# Altium PCB ECG_HS_LS.PcbDoc (part 1 of 2) (continued)
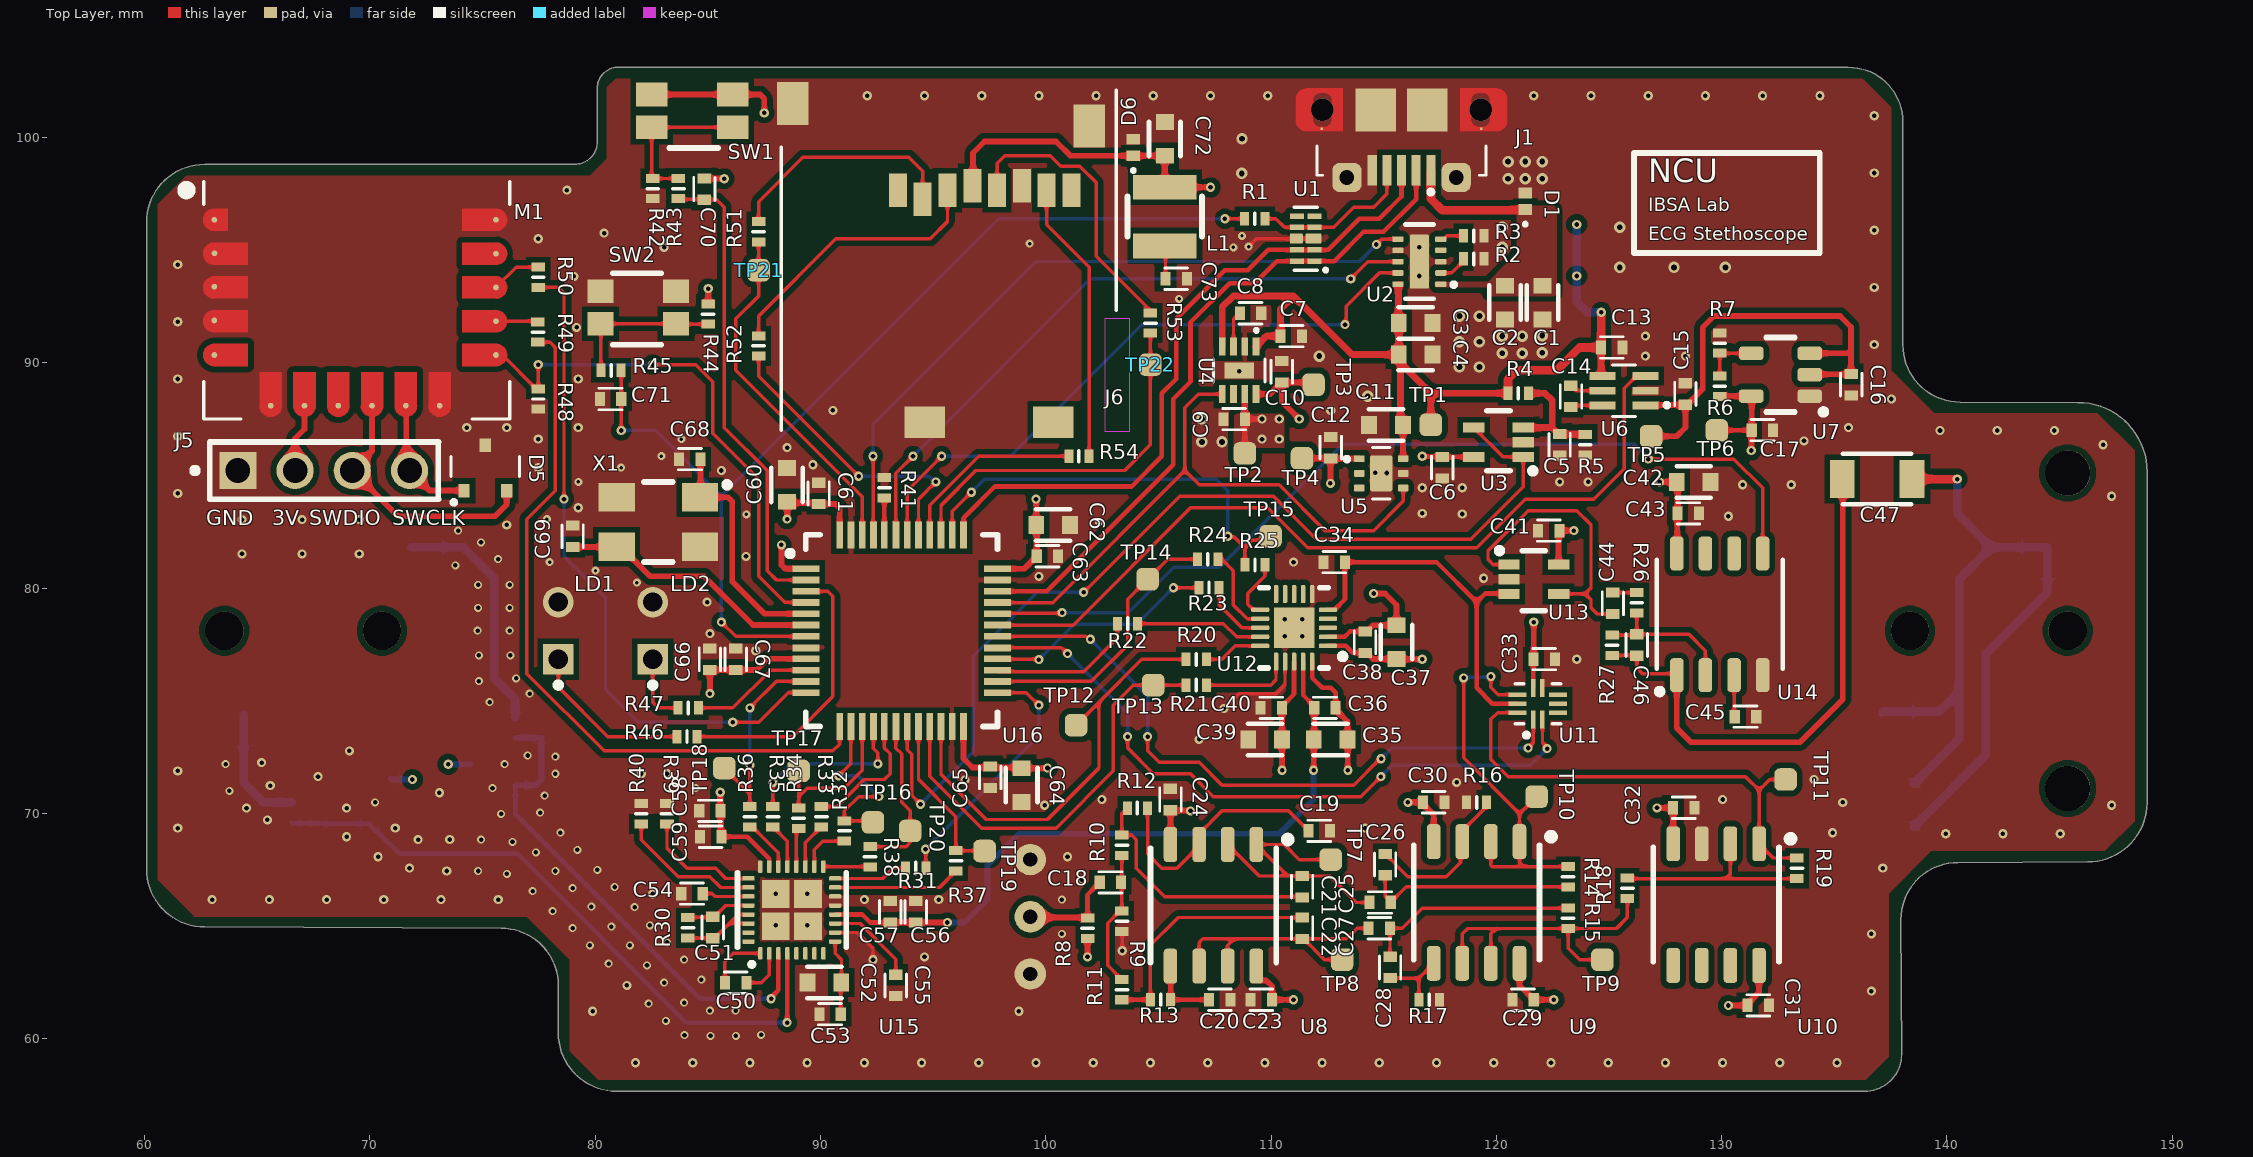
[diagram p0: Top Layer view]
## Components (designator, comment, footprint, x,y, rotation, side; value= is the part's Value field where it differs from the comment) (continued)
R8 "2.2kΩ" 0402#2 101.854,64.897 r270 top
R9 "330kΩ" 0402#2 103.378,65.209 r90 top
R10 "68kΩ" 0402#2 103.378,68.58 r270 top
R11 "150kΩ" 0402#2 103.378,62.172 r90 top
R12 "47kΩ" 0402#2 104.071,70.231 r180 top
R13 "91kΩ" 0402#2 105.098,61.722 r180 top
R14 "820kΩ" 0402#2 123.19,67.183 r90 top
R15 "100kΩ" 0402#2 123.19,65.336 r270 top
R16 "1.5MΩ" 0402#2 119.126,70.485 r180 top
R17 "220kΩ" 0402#2 117.025,61.722 r0 top
R18 "1kΩ" 0402#2 125.824,66.675 r90 top
R19 "2.2kΩ" 0402#2 133.35,67.564 r90 top
R20 "100Ω" 0402#2 106.68,76.835 r180 top
R21 "100Ω" 0402#2 106.68,75.692 r180 top
R22 "100Ω" 0402#2 103.632,78.422 r180 top
R23 "100Ω" 0402#2 107.246,80.01 r180 top
R24 "100Ω" 0402#2 107.188,81.28 r180 top
R25 "100Ω" 0402#2 109.289,81.026 r180 top
R26 "10kΩ" 0402#2 126.238,79.342 r270 top
R27 "20kΩ" 0402#2 125.141,77.463 r270 top
R28 "68kΩ" 0402#2 76.45,73.812 r90 bottom
R29 "68kΩ" 0402#2 66.519,70.039 r90 bottom
R30 "1MΩ" 0402#2 84.117,64.913 r270 top
R31 "100Ω" 0402#2 94.234,67.564 r0 top
R32 "100Ω" 0402#2 91.059,69.215 r90 top
R33 "100Ω" 0402#2 90.043,69.85 r90 top
R34 "100Ω" 0402#2 89.027,69.781 r90 top
R35 "100Ω" 0402#2 87.884,69.85 r90 top
R36 "100Ω" 0402#2 86.868,69.85 r90 top
R37 "100Ω" 0402#2 96.012,67.887 r90 top
R38 "100Ω" 0402#2 92.202,68.072 r90 top
R39 "100kΩ" 0402#2 83.185,69.977 r270 top
R40 "100kΩ" 0402#2 82.042,69.977 r90 top
R41 "10kΩ" 0402#2 92.837,84.455 r90 top
R42 "10kΩ" 0402#2 82.55,97.732 r270 top
R43 "10kΩ" 0402#2 83.693,97.732 r90 top
R44 "10kΩ" 0402#2 85.013,92.164 r90 top
R45 "10kΩ" 0402#2 80.703,89.662 r0 top
R46 "300Ω" 0402#2 84.074,73.406 r180 top
R47 "300Ω" 0402#2 84.132,74.676 r180 top
R48 "100kΩ" 0402#2 77.47,88.392 r90 top
R49 "100Ω" 0402#2 77.456,91.365 r270 top
R50 "100Ω" 0402#2 77.47,93.795 r270 top
R51 "100Ω" 0402#2 87.249,95.816 r270 top
R52 "100Ω" 0402#2 87.249,90.747 r270 top
R53 "100Ω" 0402#2 104.648,91.763 r270 top
R54 "100Ω" 0402#2 101.473,85.852 r180 top
SW1 "EVQ-P7B01P" 2.2N 84.306,101.182 r180 top
SW2 "EVP-AA402W" 2.4N 81.915,92.456 r0 top
TP1 "TP-1.0" Testpoint 117.094,87.249 r0 top
TP2 "TP-1.0" Testpoint 108.839,85.979 r90 top
TP3 "TP-1.0" Testpoint 111.887,89.027 r90 top
TP4 "TP-1.0" Testpoint 111.375,85.76 r90 top
TP5 "TP-1.0" Testpoint 126.873,86.741 r180 top
TP6 "TP-1.0" Testpoint 129.794,86.995 r0 top
TP7 "TP-1.0" Testpoint 112.649,67.945 r90 top
TP8 "TP-1.0" Testpoint 113.157,63.5 r90 top
TP9 "TP-1.0" Testpoint 124.714,63.5 r90 top
TP10 "TP-1.0" Testpoint 121.793,70.739 r90 top
TP11 "TP-1.0" Testpoint 132.842,71.501 r90 top
TP12 "TP-1.0" Testpoint 101.346,73.914 r90 top
TP13 "TP-1.0" Testpoint 104.775,75.692 r0 top
TP14 "TP-1.0" Testpoint 104.521,80.391 r90 top
TP15 "TP-1.0" Testpoint 109.982,82.296 r0 top
TP16 "TP-1.0" Testpoint 92.329,69.596 r90 top
TP17 "TP-1.0" Testpoint 89.027,71.882 r90 top
TP18 "TP-1.0" Testpoint 85.725,72.009 r90 top
TP19 "TP-1.0" Testpoint 97.282,68.326 r90 top
TP20 "TP-1.0" Testpoint 93.98,69.215 r90 top
TP21 "TP-1.0" Testpoint 87.249,94.107 r90 top
TP22 "TP-1.0" Testpoint 104.648,89.916 r90 top
U1 "D3V3F4U10LP-7" UDFN2510-10(0.5-1.0x2.5x0.575) 111.537,95.512 r90 top
U2 "BQ25040DQCR" WSON-10(0.5-2.0x3.0x0.8) 116.586,94.488 r180 top
U3 "MCP6421T-E/LTY" SC-70-5 120.099,86.472 r270 top
U4 "MIC5330-PPYML-TR" VFDFN-8 108.585,89.662 r270 top
U5 "LP5912Q3.0DRVTQ1" WSON-6 114.894,85.09 r0 top
U6 "MAX1853EXT+T" SC70-6 125.669,88.758 r180 top
U7 "TPS72301DDCR" SOT-23-5 132.618,89.469 r180 top
U8 "OPA2277UA" SOIC-8#1 107.442,65.913 r270 top
U9 "OPA2277UA" SOIC-8#1 119.126,66.04 r270 top
U10 "OPA2277UA" SOIC-8#1 129.761,65.946 r270 top
U11 "MAX14536EEVB+T" ULTRA-TQFN-10 121.847,74.865 r0 top
U12 "MCP3462RT-E/NC" UQFN-20 111.022,78.232 r180 top
U13 "MCP6421T-E/LTY" SC-70-5 121.666,80.391 r90 top
U14 "TPA6111A2DR" SOIC-8#2 129.921,78.834 r90 top
U15 "ADS1191IRSMT" VQFN-32 88.726,65.706 r90 top
U16 "STM32L562xx" LQFP48 93.599,78.105 r270 top
X1 "8.000 MHz" SMD-4 82.804,82.931 r180 top

## Footprints (in the part's own frame and the unit in brackets; to place one, negate y for a bottom-side part, rotate by r counter-clockwise, add the part's x,y. Pads: shape width x height; smd on the part's side, far side on the other; paste and mask are expansions set on the pad)
2.2N [mm]
  rect 1.4x1.05 smd mask+0.07: 1(-1.8,0.725) 1'(1.8,0.725) 2(-1.8,-0.725) 2'(1.8,-0.725)
  silkscreen extent -1.14,1.65 1.02,1.65, body extent -2.15,-2.1 2.15,1.45, height 1.35
2.4N [mm]
  rect 1.15x1.05 smd mask+0.07: 1(-1.675,0.725) 1'(1.675,0.725) 2(-1.675,-0.725) 2'(1.675,-0.725)
  silkscreen extent -1.14,-1.65 1.02,1.52, body extent -2.15,-1.71 2.15,1.4, height 1.7
"3.2 mm x 2.5 mm x 1 mm" [mm]
  rect 1.1x2.8 smd mask+0.07: 1(-1.3,0) 2(1.3,0)
  silkscreen extent -0.89,-1.65 0.89,1.65, body extent -1.61,-1.26 1.61,1.26, height 1.18
"4Pos, 1Row" [mm]
  rect 1.65x1.65 hole 1.09: 1(-3.81,0)
  round 1.65 hole 1.09: 2(-1.27,0) 3(1.27,0) 4(3.81,0)
  silkscreen extent -5.84,-1.27 5.1,1.27, body extent -5.08,-1.27 5.08,1.27, height 2.8
0402#1 [mm]
  rect 0.45x0.6 smd: 1(-0.475,0) 2(0.475,0)
  silkscreen extent -0.51,-0.48 0.51,0.48, body extent -0.51,-0.25 0.51,0.25, height 0.51
0402#2 [mm]
  rect 0.4x0.6 smd: 1(-0.45,0) 2(0.45,0)
  silkscreen extent 0,-0.25 0,0.25, body extent -0.58,-0.28 0.57,0.27, height 0.41
0603 [mm]
  rect 0.7x0.8 smd: 1(-0.75,0) 2(0.75,0)
  silkscreen extent -0.76,-0.7 0.76,0.7, body extent -0.8,-0.4 0.8,0.4, height 0.9
1206 [mm] "muRata"
  rect 1.1x1.7 smd: 1(-1.55,0) 2(1.55,0)
  silkscreen extent -1.52,-1.12 1.52,1.12, body extent -1.6,-0.8 1.6,0.8, height 1.6
CUI_SJ-3523-SMT-TR [mm]
  rect 2.2x2.8 smd: 1(-1.1,-3.7) 3(0.9,3.7)
  rect 2.8x2.8 smd: 2(8.3,-3.7)
  round 1.7 hole 1.7 unplated: ""(0,0) ""(7,0)
  silkscreen extent -6,-3.4 11,3, body extent -6.09,-4.57 10.91,4.43, height 5
DA14531MOD-00F01002 [mil]
  round 10 smd mask+0: J1(-246.06,118.11) J2(-245.88,59.67) J3(-246.17,1.29) J4(-246.17,-57.76) J5(-246.06,-118.11) J6(-147.64,-206.69) J7(-88.58,-206.69) J8(-29.53,-206.69) J9(29.53,-206.69) J10(88.58,-206.69) J11(147.64,-206.69) J12(246.06,-118.11) J13(246.06,-59.06) J14(246.06,0) J15(246.06,59.06) J16(246.06,118.11)
  Top Layer region: -246.11,137.8 -246.11,98.43 -222.49,98.43 -222.49,137.8
  Top Layer region: -108.27,-206.78 -68.9,-206.78 -68.9,-147.72 -108.27,-147.72
  Top Layer region: 127.95,-206.78 167.32,-206.78 167.32,-147.72 127.95,-147.72
  Top Layer region: 68.9,-206.78 108.27,-206.78 108.27,-147.72 68.9,-147.72
  Top Layer region: -246.13,-39.37 -246.13,-78.74 -187.07,-78.74 -187.07,-39.37
  Top Layer region: -246.13,19.68 -246.13,-19.68 -187.07,-19.68 -187.07,19.68
  Top Layer region: 246.13,-78.74 246.13,-39.37 187.07,-39.37 187.07,-78.74
  Top Layer region: 246.13,98.43 246.13,137.8 187.07,137.8 187.07,98.43
  Top Layer region: 246.13,-19.68 246.13,19.68 187.07,19.68 187.07,-19.68
  Top Layer region: 246.13,39.37 246.13,78.74 187.07,78.74 187.07,39.37
  Top Layer region: 246.13,-137.8 246.13,-98.43 187.07,-98.43 187.07,-137.8
  Top Layer region: -246.13,78.74 -246.13,39.37 -187.07,39.37 -187.07,78.74
  Top Layer region: -246.13,-98.43 -246.13,-137.8 -187.07,-137.8 -187.07,-98.43
  Top Layer region: 9.84,-206.78 49.21,-206.78 49.21,-147.72 9.84,-147.72
  Top Layer region: -49.21,-206.78 -9.84,-206.78 -9.84,-147.72 -49.21,-147.72
  Top Layer region: -167.32,-206.78 -127.95,-206.78 -127.95,-147.72 -167.32,-147.72
  Top Layer region: -246.06,137.8 -246.06,98.43 -254.6,100.37 -261.45,105.84 -265.25,113.73 -265.25,122.49 -261.45,130.38 -254.6,135.85 -246.06,137.8
  Top Layer region: -108.27,-206.69 -68.9,-206.69 -70.85,-215.23 -76.31,-222.08 -84.2,-225.88 -92.96,-225.88 -100.86,-222.08 -106.32,-215.23 -108.27,-206.69
  Top Layer region: 127.95,-206.69 167.32,-206.69 165.37,-215.23 159.91,-222.08 152.02,-225.88 143.26,-225.88 135.36,-222.08 129.9,-215.23 127.95,-206.69
  Top Layer region: 68.9,-206.69 108.27,-206.69 106.32,-215.23 100.86,-222.08 92.96,-225.88 84.2,-225.88 76.31,-222.08 70.85,-215.23 68.9,-206.69
  Top Layer region: -246.06,-39.37 -246.06,-78.74 -254.6,-76.79 -261.45,-71.33 -265.25,-63.44 -265.25,-54.67 -261.45,-46.78 -254.6,-41.32 -246.06,-39.37
  Top Layer region: -246.06,19.68 -246.06,-19.68 -254.6,-17.74 -261.45,-12.27 -265.25,-4.38 -265.25,4.38 -261.45,12.27 -254.6,17.74 -246.06,19.68
  Top Layer region: 246.06,-78.74 246.06,-39.37 254.6,-41.32 261.45,-46.78 265.25,-54.67 265.25,-63.44 261.45,-71.33 254.6,-76.79 246.06,-78.74
  Top Layer region: 246.06,98.43 246.06,137.8 254.6,135.85 261.45,130.38 265.25,122.49 265.25,113.73 261.45,105.84 254.6,100.37 246.06,98.43
  Top Layer region: 246.06,-19.68 246.06,19.68 254.6,17.74 261.45,12.27 265.25,4.38 265.25,-4.38 261.45,-12.27 254.6,-17.74 246.06,-19.68
  Top Layer region: 246.06,39.37 246.06,78.74 254.6,76.79 261.45,71.33 265.25,63.44 265.25,54.67 261.45,46.78 254.6,41.32 246.06,39.37
  Top Layer region: 246.06,-137.8 246.06,-98.43 254.6,-100.37 261.45,-105.84 265.25,-113.73 265.25,-122.49 261.45,-130.38 254.6,-135.85 246.06,-137.8
  Top Layer region: -246.06,78.74 -246.06,39.37 -254.6,41.32 -261.45,46.78 -265.25,54.67 -265.25,63.44 -261.45,71.33 -254.6,76.79 -246.06,78.74
  Top Layer region: -246.06,-98.43 -246.06,-137.8 -254.6,-135.85 -261.45,-130.38 -265.25,-122.49 -265.25,-113.73 -261.45,-105.84 -254.6,-100.37 -246.06,-98.43
  Top Layer region: 9.84,-206.69 49.21,-206.69 47.26,-215.23 41.8,-222.08 33.91,-225.88 25.15,-225.88 17.25,-222.08 11.79,-215.23 9.84,-206.69
  Top Layer region: -49.21,-206.69 -9.84,-206.69 -11.79,-215.23 -17.25,-222.08 -25.15,-225.88 -33.91,-225.88 -41.8,-222.08 -47.26,-215.23 -49.21,-206.69
  Top Layer region: -167.32,-206.69 -127.95,-206.69 -129.9,-215.23 -135.36,-222.08 -143.26,-225.88 -152.02,-225.88 -159.91,-222.08 -165.37,-215.23 -167.32,-206.69
  silkscreen extent -303,-230 270,185, body extent -246,-206 246,364, height 120
GREEN [mm]
  rect 1.358x1.358 hole 0.85 mask+0.07: A(-1.27,0)
  round 1.358 hole 0.85 mask+0.07: C(1.27,0)
  silkscreen extent -2.54,-0.13 -2.29,0.13, body extent -1.92,-1.92 1.52,1.92, height 6.39
HIROSE_ZX62D-B-5PA8(30) [mm]
  rect 0.4x1.35 smd mask+0.07: 1(-1.3,2.675) 2(-0.65,2.675) 3(0,2.675) 4(0.65,2.675) 5(1.3,2.675)
  rrect50% 1.3x1.3 hole 0.65 mask+0.07: SH1(-2.425,3) SH2(2.425,3)
  rect 0.1x0.1 smd paste-1 mask+0: SH3(-3.538,0.839) SH4(3.538,0.839)
  rect 1.8x1.9 smd mask+0.07: SH5(-1.15,0) SH6(1.15,0)
  Top Layer region: -2.6,0 -3.1,0 -3.1,0.45 -3.1,0.466 -3.102,0.481 -3.104,0.497 -3.107,0.512 -3.11,0.528 -3.115,0.543 -3.12,0.558 -3.126,0.572 -3.133,0.586 -3.14,0.6 -3.148,0.613 -3.157,0.626 -3.167,0.639 -3.177,0.651 -3.188,0.662 -3.199,0.673 -3.211,0.683 -3.224,0.693 -3.237,0.702 -3.25,0.71 -3.264,0.717 -3.278,0.724 -3.292,0.73 -3.307,0.735 -3.322,0.74 -3.338,0.743 -3.353,0.746 -3.369,0.748 -3.384,0.75 -3.4,0.75 -3.625,0.75 -3.641,0.75 -3.656,0.748 -3.672,0.746 -3.687,0.743 -3.703,0.74 -3.718,0.735 -3.733,0.73 -3.747,0.724 -3.761,0.717 -3.775,0.71 -3.788,0.702 -3.801,0.693 -3.814,0.683 -3.826,0.673 -3.837,0.662 -3.848,0.651 -3.858,0.639 -3.868,0.626 -3.877,0.613 -3.885,0.6 -3.892,0.586 -3.899,0.572 -3.905,0.558 -3.91,0.543 -3.915,0.528 -3.918,0.512 -3.921,0.497 -3.923,0.481 -3.925,0.466 -3.925,0.45 -3.925,0 -4.7,0 -4.7,0.45 -4.699,0.476 -4.697,0.502 -4.694,0.528 -4.689,0.554 -4.683,0.579 -4.676,0.605 -4.667,0.629 -4.657,0.653 -4.646,0.677 -4.633,0.7 -4.619,0.722 -4.605,0.744 -4.589,0.765 -4.572,0.785 -4.554,0.804 -4.535,0.822 -4.515,0.839 -4.494,0.855 -4.472,0.869 -4.45,0.883 -4.427,0.896 -4.403,0.907 -4.379,0.917 -4.355,0.926 -4.329,0.933 -4.304,0.939 -4.278,0.944 -4.252,0.947 -4.226,0.949 -4.2,0.95 -2.6,0.95
  Top Layer region: -2.6,-0.95 -4.2,-0.95 -4.226,-0.949 -4.252,-0.947 -4.278,-0.944 -4.304,-0.939 -4.329,-0.933 -4.355,-0.926 -4.379,-0.917 -4.403,-0.907 -4.427,-0.896 -4.45,-0.883 -4.472,-0.869 -4.494,-0.855 -4.515,-0.839 -4.535,-0.822 -4.554,-0.804 -4.572,-0.785 -4.589,-0.765 -4.605,-0.744 -4.619,-0.722 -4.633,-0.7 -4.646,-0.677 -4.657,-0.653 -4.667,-0.629 -4.676,-0.605 -4.683,-0.579 -4.689,-0.554 -4.694,-0.528 -4.697,-0.502 -4.699,-0.476 -4.7,-0.45 -4.7,0 -3.925,0 -3.925,-0.45 -3.925,-0.466 -3.923,-0.481 -3.921,-0.497 -3.918,-0.512 -3.915,-0.528 -3.91,-0.543 -3.905,-0.558 -3.899,-0.572 -3.892,-0.586 -3.885,-0.6 -3.877,-0.613 -3.868,-0.626 -3.858,-0.639 -3.848,-0.651 -3.837,-0.662 -3.826,-0.673 -3.814,-0.683 -3.801,-0.693 -3.788,-0.702 -3.775,-0.71 -3.761,-0.717 -3.747,-0.724 -3.733,-0.73 -3.718,-0.735 -3.703,-0.74 -3.687,-0.743 -3.672,-0.746 -3.656,-0.748 -3.641,-0.75 -3.625,-0.75 -3.4,-0.75 -3.384,-0.75 -3.369,-0.748 -3.353,-0.746 -3.338,-0.743 -3.322,-0.74 -3.307,-0.735 -3.292,-0.73 -3.278,-0.724 -3.264,-0.717 -3.25,-0.71 -3.237,-0.702 -3.224,-0.693 -3.211,-0.683 -3.199,-0.673 -3.188,-0.662 -3.177,-0.651 -3.167,-0.639 -3.157,-0.626 -3.148,-0.613 -3.14,-0.6 -3.133,-0.586 -3.126,-0.572 -3.12,-0.558 -3.115,-0.543 -3.11,-0.528 -3.107,-0.512 -3.104,-0.497 -3.102,-0.481 -3.1,-0.466 -3.1,-0.45 -3.1,0 -2.6,0
  Top Layer region: 4.226,0.949 4.252,0.947 4.278,0.944 4.304,0.939 4.329,0.933 4.355,0.926 4.379,0.917 4.403,0.907 4.427,0.896 4.45,0.883 4.472,0.869 4.494,0.855 4.515,0.839 4.535,0.822 4.554,0.804 4.572,0.785 4.589,0.765 4.605,0.744 4.619,0.722 4.633,0.7 4.646,0.677 4.657,0.653 4.667,0.629 4.676,0.605 4.683,0.579 4.689,0.554 4.694,0.528 4.697,0.502 4.699,0.476 4.7,0.45 4.7,0 3.925,0 3.925,0.45 3.925,0.466 3.923,0.481 3.921,0.497 3.918,0.512 3.915,0.528 3.91,0.543 3.905,0.558 3.899,0.572 3.892,0.586 3.885,0.6 3.877,0.613 3.868,0.626 3.858,0.639 3.848,0.651 3.837,0.662 3.826,0.673 3.814,0.683 3.801,0.693 3.788,0.702 3.775,0.71 3.761,0.717 3.747,0.724 3.733,0.73 3.718,0.735 3.703,0.74 3.687,0.743 3.672,0.746 3.656,0.748 3.641,0.75 3.625,0.75 3.4,0.75 3.384,0.75 3.369,0.748 3.353,0.746 3.338,0.743 3.322,0.74 3.307,0.735 3.292,0.73 3.278,0.724 3.264,0.717 3.25,0.71 3.237,0.702 3.224,0.693 3.211,0.683 3.199,0.673 3.188,0.662 3.177,0.651 3.167,0.639 3.157,0.626 3.148,0.613 3.14,0.6 3.133,0.586 3.126,0.572 3.12,0.558 3.115,0.543 3.11,0.528 3.107,0.512 3.104,0.497 3.102,0.481 3.1,0.466 3.1,0.45 3.1,0 2.6,0 2.6,0.95 4.2,0.95
  Top Layer region: 4.7,-0.45 4.699,-0.476 4.697,-0.502 4.694,-0.528 4.689,-0.554 4.683,-0.579 4.676,-0.605 4.667,-0.629 4.657,-0.653 4.646,-0.677 4.633,-0.7 4.619,-0.722 4.605,-0.744 4.589,-0.765 4.572,-0.785 4.554,-0.804 4.535,-0.822 4.515,-0.839 4.494,-0.855 4.472,-0.869 4.45,-0.883 4.427,-0.896 4.403,-0.907 4.379,-0.917 4.355,-0.926 4.329,-0.933 4.304,-0.939 4.278,-0.944 4.252,-0.947 4.226,-0.949 4.2,-0.95 2.6,-0.95 2.6,0 3.1,0 3.1,-0.45 3.1,-0.466 3.102,-0.481 3.104,-0.497 3.107,-0.512 3.11,-0.528 3.115,-0.543 3.12,-0.558 3.126,-0.572 3.133,-0.586 3.14,-0.6 3.148,-0.613 3.157,-0.626 3.167,-0.639 3.177,-0.651 3.188,-0.662 3.199,-0.673 3.211,-0.683 3.224,-0.693 3.237,-0.702 3.25,-0.71 3.264,-0.717 3.278,-0.724 3.292,-0.73 3.307,-0.735 3.322,-0.74 3.338,-0.743 3.353,-0.746 3.369,-0.748 3.384,-0.75 3.4,-0.75 3.625,-0.75 3.641,-0.75 3.656,-0.748 3.672,-0.746 3.687,-0.743 3.703,-0.74 3.718,-0.735 3.733,-0.73 3.747,-0.724 3.761,-0.717 3.775,-0.71 3.788,-0.702 3.801,-0.693 3.814,-0.683 3.826,-0.673 3.837,-0.662 3.848,-0.651 3.858,-0.639 3.868,-0.626 3.877,-0.613 3.885,-0.6 3.892,-0.586 3.899,-0.572 3.905,-0.558 3.91,-0.543 3.915,-0.528 3.918,-0.512 3.921,-0.497 3.923,-0.481 3.925,-0.466 3.925,-0.45 3.925,0 4.7,0
  Bottom Layer region: -2.6,0 -3.1,0 -3.1,0.45 -3.1,0.466 -3.102,0.481 -3.104,0.497 -3.107,0.512 -3.11,0.528 -3.115,0.543 -3.12,0.558 -3.126,0.572 -3.133,0.586 -3.14,0.6 -3.148,0.613 -3.157,0.626 -3.167,0.639 -3.177,0.651 -3.188,0.662 -3.199,0.673 -3.211,0.683 -3.224,0.693 -3.237,0.702 -3.25,0.71 -3.264,0.717 -3.278,0.724 -3.292,0.73 -3.307,0.735 -3.322,0.74 -3.338,0.743 -3.353,0.746 -3.369,0.748 -3.384,0.75 -3.4,0.75 -3.625,0.75 -3.641,0.75 -3.656,0.748 -3.672,0.746 -3.687,0.743 -3.703,0.74 -3.718,0.735 -3.733,0.73 -3.747,0.724 -3.761,0.717 -3.775,0.71 -3.788,0.702 -3.801,0.693 -3.814,0.683 -3.826,0.673 -3.837,0.662 -3.848,0.651 -3.858,0.639 -3.868,0.626 -3.877,0.613 -3.885,0.6 -3.892,0.586 -3.899,0.572 -3.905,0.558 -3.91,0.543 -3.915,0.528 -3.918,0.512 -3.921,0.497 -3.923,0.481 -3.925,0.466 -3.925,0.45 -3.925,0 -4.7,0 -4.7,0.45 -4.699,0.476 -4.697,0.502 -4.694,0.528 -4.689,0.554 -4.683,0.579 -4.676,0.605 -4.667,0.629 -4.657,0.653 -4.646,0.677 -4.633,0.7 -4.619,0.722 -4.605,0.744 -4.589,0.765 -4.572,0.785 -4.554,0.804 -4.535,0.822 -4.515,0.839 -4.494,0.855 -4.472,0.869 -4.45,0.883 -4.427,0.896 -4.403,0.907 -4.379,0.917 -4.355,0.926 -4.329,0.933 -4.304,0.939 -4.278,0.944 -4.252,0.947 -4.226,0.949 -4.2,0.95 -2.6,0.95
  Bottom Layer region: -2.6,-0.95 -4.2,-0.95 -4.226,-0.949 -4.252,-0.947 -4.278,-0.944 -4.304,-0.939 -4.329,-0.933 -4.355,-0.926 -4.379,-0.917 -4.403,-0.907 -4.427,-0.896 -4.45,-0.883 -4.472,-0.869 -4.494,-0.855 -4.515,-0.839 -4.535,-0.822 -4.554,-0.804 -4.572,-0.785 -4.589,-0.765 -4.605,-0.744 -4.619,-0.722 -4.633,-0.7 -4.646,-0.677 -4.657,-0.653 -4.667,-0.629 -4.676,-0.605 -4.683,-0.579 -4.689,-0.554 -4.694,-0.528 -4.697,-0.502 -4.699,-0.476 -4.7,-0.45 -4.7,0 -3.925,0 -3.925,-0.45 -3.925,-0.466 -3.923,-0.481 -3.921,-0.497 -3.918,-0.512 -3.915,-0.528 -3.91,-0.543 -3.905,-0.558 -3.899,-0.572 -3.892,-0.586 -3.885,-0.6 -3.877,-0.613 -3.868,-0.626 -3.858,-0.639 -3.848,-0.651 -3.837,-0.662 -3.826,-0.673 -3.814,-0.683 -3.801,-0.693 -3.788,-0.702 -3.775,-0.71 -3.761,-0.717 -3.747,-0.724 -3.733,-0.73 -3.718,-0.735 -3.703,-0.74 -3.687,-0.743 -3.672,-0.746 -3.656,-0.748 -3.641,-0.75 -3.625,-0.75 -3.4,-0.75 -3.384,-0.75 -3.369,-0.748 -3.353,-0.746 -3.338,-0.743 -3.322,-0.74 -3.307,-0.735 -3.292,-0.73 -3.278,-0.724 -3.264,-0.717 -3.25,-0.71 -3.237,-0.702 -3.224,-0.693 -3.211,-0.683 -3.199,-0.673 -3.188,-0.662 -3.177,-0.651 -3.167,-0.639 -3.157,-0.626 -3.148,-0.613 -3.14,-0.6 -3.133,-0.586 -3.126,-0.572 -3.12,-0.558 -3.115,-0.543 -3.11,-0.528 -3.107,-0.512 -3.104,-0.497 -3.102,-0.481 -3.1,-0.466 -3.1,-0.45 -3.1,0 -2.6,0
  Bottom Layer region: 4.226,0.949 4.252,0.947 4.278,0.944 4.304,0.939 4.329,0.933 4.355,0.926 4.379,0.917 4.403,0.907 4.427,0.896 4.45,0.883 4.472,0.869 4.494,0.855 4.515,0.839 4.535,0.822 4.554,0.804 4.572,0.785 4.589,0.765 4.605,0.744 4.619,0.722 4.633,0.7 4.646,0.677 4.657,0.653 4.667,0.629 4.676,0.605 4.683,0.579 4.689,0.554 4.694,0.528 4.697,0.502 4.699,0.476 4.7,0.45 4.7,0 3.925,0 3.925,0.45 3.925,0.466 3.923,0.481 3.921,0.497 3.918,0.512 3.915,0.528 3.91,0.543 3.905,0.558 3.899,0.572 3.892,0.586 3.885,0.6 3.877,0.613 3.868,0.626 3.858,0.639 3.848,0.651 3.837,0.662 3.826,0.673 3.814,0.683 3.801,0.693 3.788,0.702 3.775,0.71 3.761,0.717 3.747,0.724 3.733,0.73 3.718,0.735 3.703,0.74 3.687,0.743 3.672,0.746 3.656,0.748 3.641,0.75 3.625,0.75 3.4,0.75 3.384,0.75 3.369,0.748 3.353,0.746 3.338,0.743 3.322,0.74 3.307,0.735 3.292,0.73 3.278,0.724 3.264,0.717 3.25,0.71 3.237,0.702 3.224,0.693 3.211,0.683 3.199,0.673 3.188,0.662 3.177,0.651 3.167,0.639 3.157,0.626 3.148,0.613 3.14,0.6 3.133,0.586 3.126,0.572 3.12,0.558 3.115,0.543 3.11,0.528 3.107,0.512 3.104,0.497 3.102,0.481 3.1,0.466 3.1,0.45 3.1,0 2.6,0 2.6,0.95 4.2,0.95
  Bottom Layer region: 4.7,-0.45 4.699,-0.476 4.697,-0.502 4.694,-0.528 4.689,-0.554 4.683,-0.579 4.676,-0.605 4.667,-0.629 4.657,-0.653 4.646,-0.677 4.633,-0.7 4.619,-0.722 4.605,-0.744 4.589,-0.765 4.572,-0.785 4.554,-0.804 4.535,-0.822 4.515,-0.839 4.494,-0.855 4.472,-0.869 4.45,-0.883 4.427,-0.896 4.403,-0.907 4.379,-0.917 4.355,-0.926 4.329,-0.933 4.304,-0.939 4.278,-0.944 4.252,-0.947 4.226,-0.949 4.2,-0.95 2.6,-0.95 2.6,0 3.1,0 3.1,-0.45 3.1,-0.466 3.102,-0.481 3.104,-0.497 3.107,-0.512 3.11,-0.528 3.115,-0.543 3.12,-0.558 3.126,-0.572 3.133,-0.586 3.14,-0.6 3.148,-0.613 3.157,-0.626 3.167,-0.639 3.177,-0.651 3.188,-0.662 3.199,-0.673 3.211,-0.683 3.224,-0.693 3.237,-0.702 3.25,-0.71 3.264,-0.717 3.278,-0.724 3.292,-0.73 3.307,-0.735 3.322,-0.74 3.338,-0.743 3.353,-0.746 3.369,-0.748 3.384,-0.75 3.4,-0.75 3.625,-0.75 3.641,-0.75 3.656,-0.748 3.672,-0.746 3.687,-0.743 3.703,-0.74 3.718,-0.735 3.733,-0.73 3.747,-0.724 3.761,-0.717 3.775,-0.71 3.788,-0.702 3.801,-0.693 3.814,-0.683 3.826,-0.673 3.837,-0.662 3.848,-0.651 3.858,-0.639 3.868,-0.626 3.877,-0.613 3.885,-0.6 3.892,-0.586 3.899,-0.572 3.905,-0.558 3.91,-0.543 3.915,-0.528 3.918,-0.512 3.921,-0.497 3.923,-0.481 3.925,-0.466 3.925,-0.45 3.925,0 4.7,0
  silkscreen extent -3.75,1.6 3.75,3.75, body extent -4.05,-2.73 4.05,3.07, height 2.78
"JST-PH 2-Pin" [mm]
  rect 1x3.5 smd mask+0.07: 1(-1,5.55) 2(1,5.55)
  rect 1.5x3.4 smd mask+0.07: 3(-3.35,0) 4(3.35,0)
  silkscreen extent -3.05,-2.03 3.18,6.48, body extent -4.07,-1.27 4.07,6.98, height 5.38
LQFP48 [mm]
  rect 0.3x1.2 smd mask+0.07: 1(-2.75,-4.25) 2(-2.25,-4.25) 3(-1.75,-4.25) 4(-1.25,-4.25) 5(-0.75,-4.25) 6(-0.25,-4.25) 7(0.25,-4.25) 8(0.766,-4.25) 9(1.25,-4.25) 10(1.75,-4.25) 11(2.25,-4.25) 12(2.75,-4.25) 25(2.75,4.25) 26(2.25,4.25) 27(1.75,4.25) 28(1.25,4.25) 29(0.766,4.25) 30(0.25,4.25) 31(-0.25,4.25) 32(-0.75,4.25) 33(-1.25,4.25) 34(-1.75,4.25) 35(-2.25,4.25) 36(-2.75,4.25)
  rect 1.2x0.3 smd mask+0.07: 13(4.25,-2.75) 14(4.25,-2.25) 15(4.25,-1.75) 16(4.25,-1.25) 17(4.25,-0.766) 18(4.25,-0.25) 19(4.25,0.25) 20(4.25,0.75) 21(4.25,1.25) 22(4.25,1.75) 23(4.25,2.25) 24(4.25,2.75) 37(-4.25,2.75) 38(-4.25,2.25) 39(-4.25,1.75) 40(-4.25,1.25) 41(-4.25,0.75) 42(-4.25,0.25) 43(-4.25,-0.25) 44(-4.25,-0.766) 45(-4.25,-1.25) 46(-4.25,-1.75) 47(-4.25,-2.25) 48(-4.25,-2.75)
  silkscreen extent -4.25,-5.08 4.25,4.25, body extent -4.6,-4.6 4.6,4.6, height 1.6
microSD_Card_slot [mm]
  rect 0.8x1.5 smd mask+0.07: 1(1.94,0) 2(0.84,0.4) 3(-0.26,0) 4(-1.36,-0.2) 5(-2.46,0) 6(-3.56,-0.2) 7(-4.66,0) 8(-5.76,0)
  rect 1.8x1.4 smd mask+0.07: 9(-4.95,10.3) 11(0.75,10.3)
  rect 1.4x1.9 smd mask+0.07: 10(-6.55,-2.85) 12(6.6,-3.85)
  Top Layer keep-out region: -8.35,5.7 -7.25,5.7 -7.25,10.7 -8.35,10.7
  silkscreen extent -7.75,-4.45 7.11,10.67, body extent -7.05,-3.96 7.05,11.24, height 2.27
RED [mm]
  rect 1.358x1.358 hole 0.85 mask+0.07: A(-1.27,0)
  round 1.358 hole 0.85 mask+0.07: C(1.27,0)
  silkscreen extent -2.54,-0.13 -2.29,0.13, body extent -1.92,-1.92 1.52,1.92, height 6.39
SC70-6 [mm]
  rect 1.15x0.35 smd mask+0.07: 1(-0.95,0.65) 2(-0.95,0) 3(-0.95,-0.65) 4(0.95,-0.65) 5(0.95,0) 6(0.95,0.65)
  silkscreen extent -1.97,-1.14 0.51,1.14, body extent -1.19,-1.1 1.19,1.11, height 1.09
SC-70-5 [mm]
  rect 0.45x0.95 smd mask+0.07: 1(0.65,1.1) 2(0,1.1) 3(-0.65,1.1) 4(-0.65,-1.1) 5(0.65,-1.1)
  silkscreen extent -1.4,-0.51 1.4,1.65, body extent -1.13,-1.19 1.13,1.19, height 1.09
SMD-4 [mm]
  rect 1.6x1.25 smd mask+0.07: 1(-1.85,-1.1) 2(1.85,-1.1) 3(1.85,1.1) 4(-1.85,1.1)
  silkscreen extent -3.17,-1.78 0.64,1.78, body extent -2.5,-1.6 2.5,1.6, height 0.85
SOIC-8#1 [mm]
  rrect50% 1.55x0.6 smd mask+0.07: 1(-2.7,1.905) 2(-2.7,0.635) 3(-2.7,-0.635) 4(-2.7,-1.905) 5(2.7,-1.905) 6(2.7,-0.635) 7(2.7,0.635) 8(2.7,1.905)
  silkscreen extent -3.07,-2.79 2.54,3.45, body extent -3,-2.45 3,2.45, height 1.75
SOIC-8#2 [mm]
  rrect50% 1.5x0.6 smd: 1(-2.7,1.905) 2(-2.7,0.635) 3(-2.7,-0.635) 4(-2.7,-1.905) 5(2.7,-1.905) 6(2.7,-0.635) 7(2.7,0.635) 8(2.7,1.905)
  silkscreen extent -3.56,-2.79 2.41,2.79, body extent -3.01,-2.45 3.01,2.45, height 1.63
SOT-23 [mm]
  rect 0.8x0.9 smd mask+0.07: 1(0,1) 2(-0.95,-1) 3(0.95,-1)
  silkscreen extent -0.13,1.65 0.13,1.91, body extent -1.45,-1.14 1.45,1.27, height 0.99
SOT-23-3 [mm]
  rect 0.5x0.6 smd mask+0.1: 1(0.95,1) 2(-0.95,1) 3(0,-1)
  silkscreen extent -1.52,-0.51 1.52,1.59, body extent -1.45,-1.21 1.45,1.19, height 0.94
SOT-23-5 [mm]
  rrect50% 1.1x0.6 smd mask+0.07: 1(-1.3,0.95) 2(-1.3,0) 3(-1.3,-0.95) 4(1.3,-0.95) 5(1.3,0.95)
  silkscreen extent -2.03,-1.65 0.64,1.78, body extent -1.4,-1.45 1.4,1.45, height 1.1
Testpoint [mm]
  rrect50% 1x1 smd: 1(0,0)
UDFN2510-10(0.5-1.0x2.5x0.575) [mm]
  rrect20% 0.25x0.625 smd mask+0.05: 1(-1,-0.387) 2(-0.5,-0.387) 4(0.5,-0.387) 5(1,-0.387) 6(1,0.387) 7(0.5,0.387) 9(-0.5,0.387) 10(-1,0.387)
  rrect20% 0.45x0.7 smd mask+0.05: 3(0,-0.35)
  rrect20% 0.45x0.575 smd mask+0.05: 8(0,0.413)
  silkscreen extent -1.47,-0.97 1.4,0.51, body extent -1.25,-0.5 1.25,0.5, height 0.58
ULTRA-TQFN-10 [mm]
  rect 0.2x0.8 smd mask+0.07: 1(-0.2,-0.7) 2(0.2,-0.7) 6(0.2,0.7) 7(-0.2,0.7)
  rect 0.8x0.2 smd mask+0.07: 3(0.9,-0.4) 4(0.9,0) 5(0.9,0.4) 8(-0.9,0.4) 9(-0.9,0) 10(-0.9,-0.4)
  silkscreen extent -1.02,-1.5 1.02,0.89, body extent -0.9,-0.7 0.9,0.7, height 0.57
UQFN-20 [mm]
  rrect50% 0.8x0.2 smd mask+0.07: 1(-1.5,0.8) 2(-1.5,0.4) 3(-1.5,0) 4(-1.5,-0.4) 5(-1.5,-0.8) 11(1.5,-0.8) 12(1.5,-0.4) 13(1.5,0) 14(1.5,0.4) 15(1.5,0.8)
  rrect50% 0.2x0.8 smd mask+0.07: 6(-0.8,-1.5) 7(-0.4,-1.5) 8(0,-1.5) 9(0.4,-1.5) 10(0.8,-1.5) 16(0.8,1.5) 17(0.4,1.5) 18(0,1.5) 19(-0.4,1.5) 20(-0.8,1.5)
  rect 1.8x1.8 smd paste-0.147 mask+0.07: 21(0,0)
  silkscreen extent -2.29,-1.78 1.52,1.78, body extent -1.5,-1.5 1.5,1.5, height 0.52
VFDFN-8 [mm]
  rect 0.8x0.3 smd mask+0.07: 1(-1.05,0.75) 2(-1.05,0.25) 3(-1.05,-0.25) 4(-1.05,-0.75) 5(1.05,-0.75) 6(1.05,-0.25) 7(1.05,0.25) 8(1.05,0.75)
  rect 0.7x1.3 smd mask+0.07: 9(0,0)
  silkscreen extent -1.8,-1.14 0.51,1.14, body extent -1,-1 1,1, height 0.89
VQFN-32 [mm]
  rrect50% 0.55x0.2 smd mask+0.07: 1(-1.925,1.4) 2(-1.925,1) 3(-1.925,0.6) 4(-1.925,0.2) 5(-1.925,-0.2) 6(-1.925,-0.6) 7(-1.925,-1) 8(-1.925,-1.4) 17(1.925,-1.4) 18(1.925,-1) 19(1.925,-0.6) 20(1.925,-0.2) 21(1.925,0.2) 22(1.925,0.6) 23(1.925,1) 24(1.925,1.4)
  rrect50% 0.2x0.55 smd mask+0.07: 9(-1.4,-1.925) 10(-1,-1.925) 11(-0.6,-1.925) 12(-0.2,-1.925) 13(0.2,-1.925) 14(0.6,-1.925) 15(1,-1.925) 16(1.4,-1.925) 25(1.4,1.925) 26(1,1.925) 27(0.6,1.925) 28(0.2,1.925) 29(-0.2,1.925) 30(-0.6,1.925) 31(-1,1.925) 32(-1.4,1.925)
  rect 1.23x1.23 smd mask+0.07: 33(-0.715,-0.715) 33(-0.715,0.715) 33(0.715,-0.715) 33(0.715,0.715)
  silkscreen extent -2.51,-2.41 1.65,2.41, body extent -2,-2 2,2, height 1
WSON-6 [mm]
  rrect17% 0.45x0.3 smd mask+0.07: 1(-0.975,0.65) 2(-0.975,0) 3(-0.975,-0.65) 4(0.975,-0.65) 5(0.975,0) 6(0.975,0.65)
  rrect20% 1x1.6 smd mask+0.07: 7(0,0)
  silkscreen extent -1.59,-1.14 0.38,1.14, body extent -1,-1 1,1, height 0.8
WSON-10(0.5-2.0x3.0x0.8) [mm]
  rrect40% 0.5x0.25 smd mask+0.07: 1(-0.95,1) 2(-0.95,0.5) 3(-0.95,0) 4(-0.95,-0.5) 5(-0.95,-1) 7(0.95,-0.5) 8(0.95,0) 9(0.95,0.5) 10(0.95,1)
  rrect40% 0.5x0.25 smd paste+0 mask+0.07: 6(0.95,-1)
  rrect12% 0.84x2.4 smd paste-0.508 mask+0.07: 11(0,0)
  rrect12% 0.8x1.08 on Top Paste: ""(0,0.64) ""(0,-0.64)
  silkscreen extent -1.59,-1.65 0.64,1.65, body extent -1,-1.5 1,1.5, height 0.7
X2DFN-2(0.73-0.6x1.0x0.37) [mm]
  rect 0.47x0.6 smd mask+0.07: 1(-0.365,0) 2(0.365,0)
  silkscreen extent -1.09,-0.08 -0.94,0.08, body extent -0.5,-0.3 0.5,0.3, height 0.5

## Part data
C1 C2 C3 C4 C11 C35 C37 C39 C42 C52 C60 C62 C64 C72: library part 0603, "MLCC-0603"
C5 C6 C7 C8 C9 C10 C12 C13 C14 C15 C16 C17 C18 C19 C20 C21 C22 C23 C24 C25 C26 C27 C28 C29 C30 C31 C32 C33 C34 C36 C38 C40 C41 C43 C44 C45 C46 C48 C49 C50 C51 C53 C54 C55 C56 C57 C58 C59 C61 C63 C65 C66 C67 C68 C69 C70 C71 C73: library part 0402, "MLCC-0402"
C47: library part 1206, "MLCC-1206"
D1 D6: "0016-11-ESD-01-D3V3F4U10LP-7", AuthorBy=yjlab
D2 D5: "ESD Suppressors / TVS Diodes, 2 Channl. Breakdown 6.4V, Clamping Voltage 8V"
D3 D4: "Dual Surface Mount Low Leakage Diode"
J1: "USB Connectors 5P RECEPTACLE"
J2: "Battery Connector, JST-PH 2 Pin"
J3 J4: "3.5 mm, Stereo, Right Angle, Surface Mount _SMT_, Audio Jack Connector", Package="LGA-10 STMicroelectronics", Availability=Unavailable, CUI_purchase_URL=https://www.cuidevices.com/product/interconnect/connectors/audio-connectors/jacks/sj-352x-smt-series?utm_source=snapeda.com&utm_medium=referral&utm_campaign=snapedaBOM, MF="CUI Devices", MP=SJ-3523-SMT-TR, Price=None, SnapEDA_Link=https://www.snapeda.com/parts/SJ-3523-SMT-TR/CUI%20Devices/view-part/251570/?ref=snap
J5: "Headers & Wire Housings, Through Hole, 4 Poisition, 1 Row, Straight, Pitch 2.54 mm"
J6: "0023-23-MMC-02-GTFP08432B1HR"
L1: library part SRP3212, "SRP3212 Series Shielded Power Inductors, Wirewound"
M1: "0038-15-BLT-07-DA14531MOD-00F01002"
R1 R2 R3 R4 R5 R6 R7 R8 R9 R10 R11 R12 R13 R14 R15 R16 R17 R18 R19 R20 R21 R22 R23 R24 R25 R26 R27 R28 R29 R30 R31 R32 R33 R34 R35 R36 R37 R38 R39 R40 R41 R42 R43 R44 R45 R46 R47 R48 R49 R50 R51 R52 R53 R54: library part 0402, "Resistor_SMD_0402", AuthorBy=yjlab
SW1: "Light Touch Switch, Right Angle, Operating Force 2.2 (N)"
SW2: "Lite Touch Switch, Vertical, Operating Force 2.4(N)"
TP1 TP2 TP3 TP4 TP5 TP6 TP7 TP8 TP9 TP10 TP11 TP12 TP13 TP14 TP15 TP16 TP17 TP18 TP19 TP20 TP21 TP22: library part Testpoint
U1: "0017-11-ESD-01-D3V3F4U10LP-7", AuthorBy=yjlab
U2: "0001-07-BAC-01-BQ25040DQCR", AuthorBy=yjlab
U3 U13: "4.4 µA/Amplifier, 90 kHz Op Amp"
U4: "Voltage Regulators Dual 300mA LDO, 2 Output: (3V, 3V)"
U5: "LDO Voltage Regulators Automotive 500-mA, low-noise, low-IQ, low-dropout voltage regulator with reverse current protection"
U6: "Switching Voltage Regulators SC70 Inverting Charge Pumps with Shutdown, Switching Frequency 200kHz"
U7: "Negative Output LDO, Adjustable Output"
U8 U9 U10: "High Precision OP Amp, 2 Channel"
U11: "Analog Switch, 0.135 (Ω) On-Resistence"
U12: "Delta-to-Sigma ADC, 16 Bit, 2 Channel"
U14: "Audio Power Amp"
U15: "Biopotential Measurement ADC, 2 Channel, 16 Bit"
U16: "STM32, 32 Bit MCU, 48 Pin, Arm Cortex-M33, 512 (kB) Flash, 256 (kB) SRAM"
X1: library part ECS-80-10-30B-CKM-TR, "Crystals ECX-53B 8.000 MHz 10 pF"

## Free pads (board coordinates)
  round 1.397 hole 0.635: D+(99.314,65.405) D-(99.314,67.945) SHIELD(99.314,62.865)
  round 2 hole 2 unplated: "Fiducial 1"(145.368,85.105) "Fiducial 2"(145.368,71.105)

## Via types
v1: diameter 0.406, hole 0.203, Top Layer to Bottom Layer, tented both sides, 235 vias
v2: diameter 0.356, hole 0.203, Top Layer to Bottom Layer, tented both sides, 66 vias
v3: diameter 0.508, hole 0.254, Top Layer to Bottom Layer, tented both sides, 31 vias
v4: diameter 0.356, hole 0.152, Top Layer to Bottom Layer, tented both sides, 15 vias
v5: diameter 0.406, hole 0.203, Top Layer to Bottom Layer, 13 vias
v6: diameter 1, hole 1, Top Layer to Bottom Layer, 2 vias

## Nets (pads, with @x,y where several pads share a name; then routed paths per layer and width w, separated by ;. In a path a pad name is that pad's centre, name@x,y a point inside that pad or via, vN(x,y) a via of type N, cw(c..) or ccw(c..) an arc to the next point about the centre after c; other vN are vias at no path point)
ADS_#CS: R32.2 TP16.1 U16.14 | length 8.1
  Top Layer w0.152: v1(90.802,71.659) 91.349,72.206 U16.14@91.349,73.855 ; TP16.1@92.329,69.596 92.26,69.665 R32.2@91.059,69.665 91.059,70.104 91.694,70.739 v1(92.583,70.739)
  Bottom Layer w0.152: v1(90.802,71.659) 91.663,71.659 v1(92.583,70.739)
ADS_#DRDY: R36.2 TP18.1 U16.11 | length 9
  Top Layer w0.152: TP18.1@85.725,72.009 86.868,70.866 ; R36.2@86.868,70.3 86.868,70.866 ; v1(86.868,72.136) 86.868,70.866 ; v1(86.868,74.676) 88.047,75.855 U16.11@89.349,75.855
  Bottom Layer w0.152: v1(86.868,72.136) v1(86.868,74.676)
ADS_#RST: R37.2 TP19.1 U16.20 | length 7.5
  Top Layer w0.152: U16.20@94.349,73.855 94.349,71.513 96.012,69.85 R37.2@96.012,68.337 97.271,68.337 TP19.1@97.282,68.326
ADS_CLK: R38.2 TP20.1 U16.18 | length 7.3
  Top Layer w0.152: R38.2@92.202,68.522 93.795,68.522 93.98,68.707 TP20.1@93.98,69.215 93.98,70.104 93.599,70.485 93.599,72.644 93.349,72.894 U16.18@93.349,73.855
ADS_DIN: R33.2 U16.17 | length 5.9
  Top Layer w0.152: R33.2@90.043,70.3 90.747,70.3 91.948,71.501 92.837,71.501 93.091,71.755 93.091,72.64 92.833,72.898 U16.17@92.833,73.855
ADS_DOUT: R35.2 U16.16 | length 7.8
  Top Layer w0.152: R35.2@87.884,70.3 v1(87.884,71.374) ; U16.16@92.349,73.855 92.349,72.878 92.547,72.68 v1(92.547,72.19)
  Bottom Layer w0.152: v1(87.884,71.374) 88.702,72.192 v1@92.544,72.192
ADS_SCK: R34.2 TP17.1 U16.15 | length 6.9
  Top Layer w0.152: R34.2@89.027,70.231 89.027,70.739 ; TP17.1@89.027,71.882 89.027,70.739 ; U16.15@91.849,73.855 91.849,71.91 91.059,71.12 89.408,71.12 89.027,70.739
ADS_START: R31.2 U16.25 | length 11.4
  Top Layer w0.152: v1(94.663,68.405) 94.673,68.395 94.673,67.575 R31.2@94.684,67.564 ; U16.25@97.849,75.355 99.143,75.355 v1(99.695,74.803)
  Bottom Layer w0.152: v1(94.663,68.405) 99.695,73.438 v1(99.695,74.803)
AS_CB: U11.1 U16.30 | length 29.7
  Top Layer w0.152: U16.30@97.849,77.855 97.851,77.853 101.783,77.853 101.912,77.724 v1(101.981,77.724) ; v1(104.521,73.406) 104.521,72.781 105.039,72.263 106.807,72.263 107.823,71.247 113.665,71.247 114.837,72.419 v1(114.887,72.419) ; v1(121.412,72.898) 121.647,73.133 U11.1@121.647,74.146
  Bottom Layer w0.152: v1(101.981,77.724) 104.521,75.184 v1(104.521,73.406) ; v1(114.887,72.419) 115.366,72.898 v1(121.412,72.898)
AS_EN: U11.2 U16.29 | length 30.3
  Top Layer w0.152: U16.29@97.849,77.339 97.867,77.357 100.697,77.357 v1(100.965,77.089) ; v1(103.632,73.406) 103.632,72.898 104.775,71.755 106.426,71.755 107.442,70.739 113.988,70.739 v1(114.877,71.628) ; U11.2@122.047,74.165 122.054,74.158 122.054,73.142 122.254,72.942 v1(122.254,72.873)
  Bottom Layer w0.152: v1(100.965,77.089) 103.632,74.422 v1(103.632,73.406) ; v1(114.877,71.628) 115.385,72.136 121.518,72.136 v1(122.254,72.873)
Audio_SHDN: U14.5 U16.32 | length 40.8
  Top Layer w0.152: U16.32@97.849,78.855 97.875,78.881 100.7,78.881 v1(100.726,78.906) ; v1(126.746,85.725) 130.548,85.725 131.826,84.447 U14.5@131.826,81.534
  Bottom Layer w0.152: v1(100.726,78.906) 103.671,78.906 105.681,80.916 107.713,80.916 113.182,86.385 126.144,86.385 126.746,85.784 v1(126.746,85.725)